# Altium PCB 滑板车模块 - 拼板.PcbDoc (part 6 of 8)
Units mm, origin at the board's own origin, x right, y up, seen from the top; angles counter-clockwise.
Board outline 16 x 13 mm, 2 copper layers (Top Layer, Bottom Layer); 420 components, 26 nets, 2088 pads, 620 vias.
Unrouted connection lines stored in the file: 114.
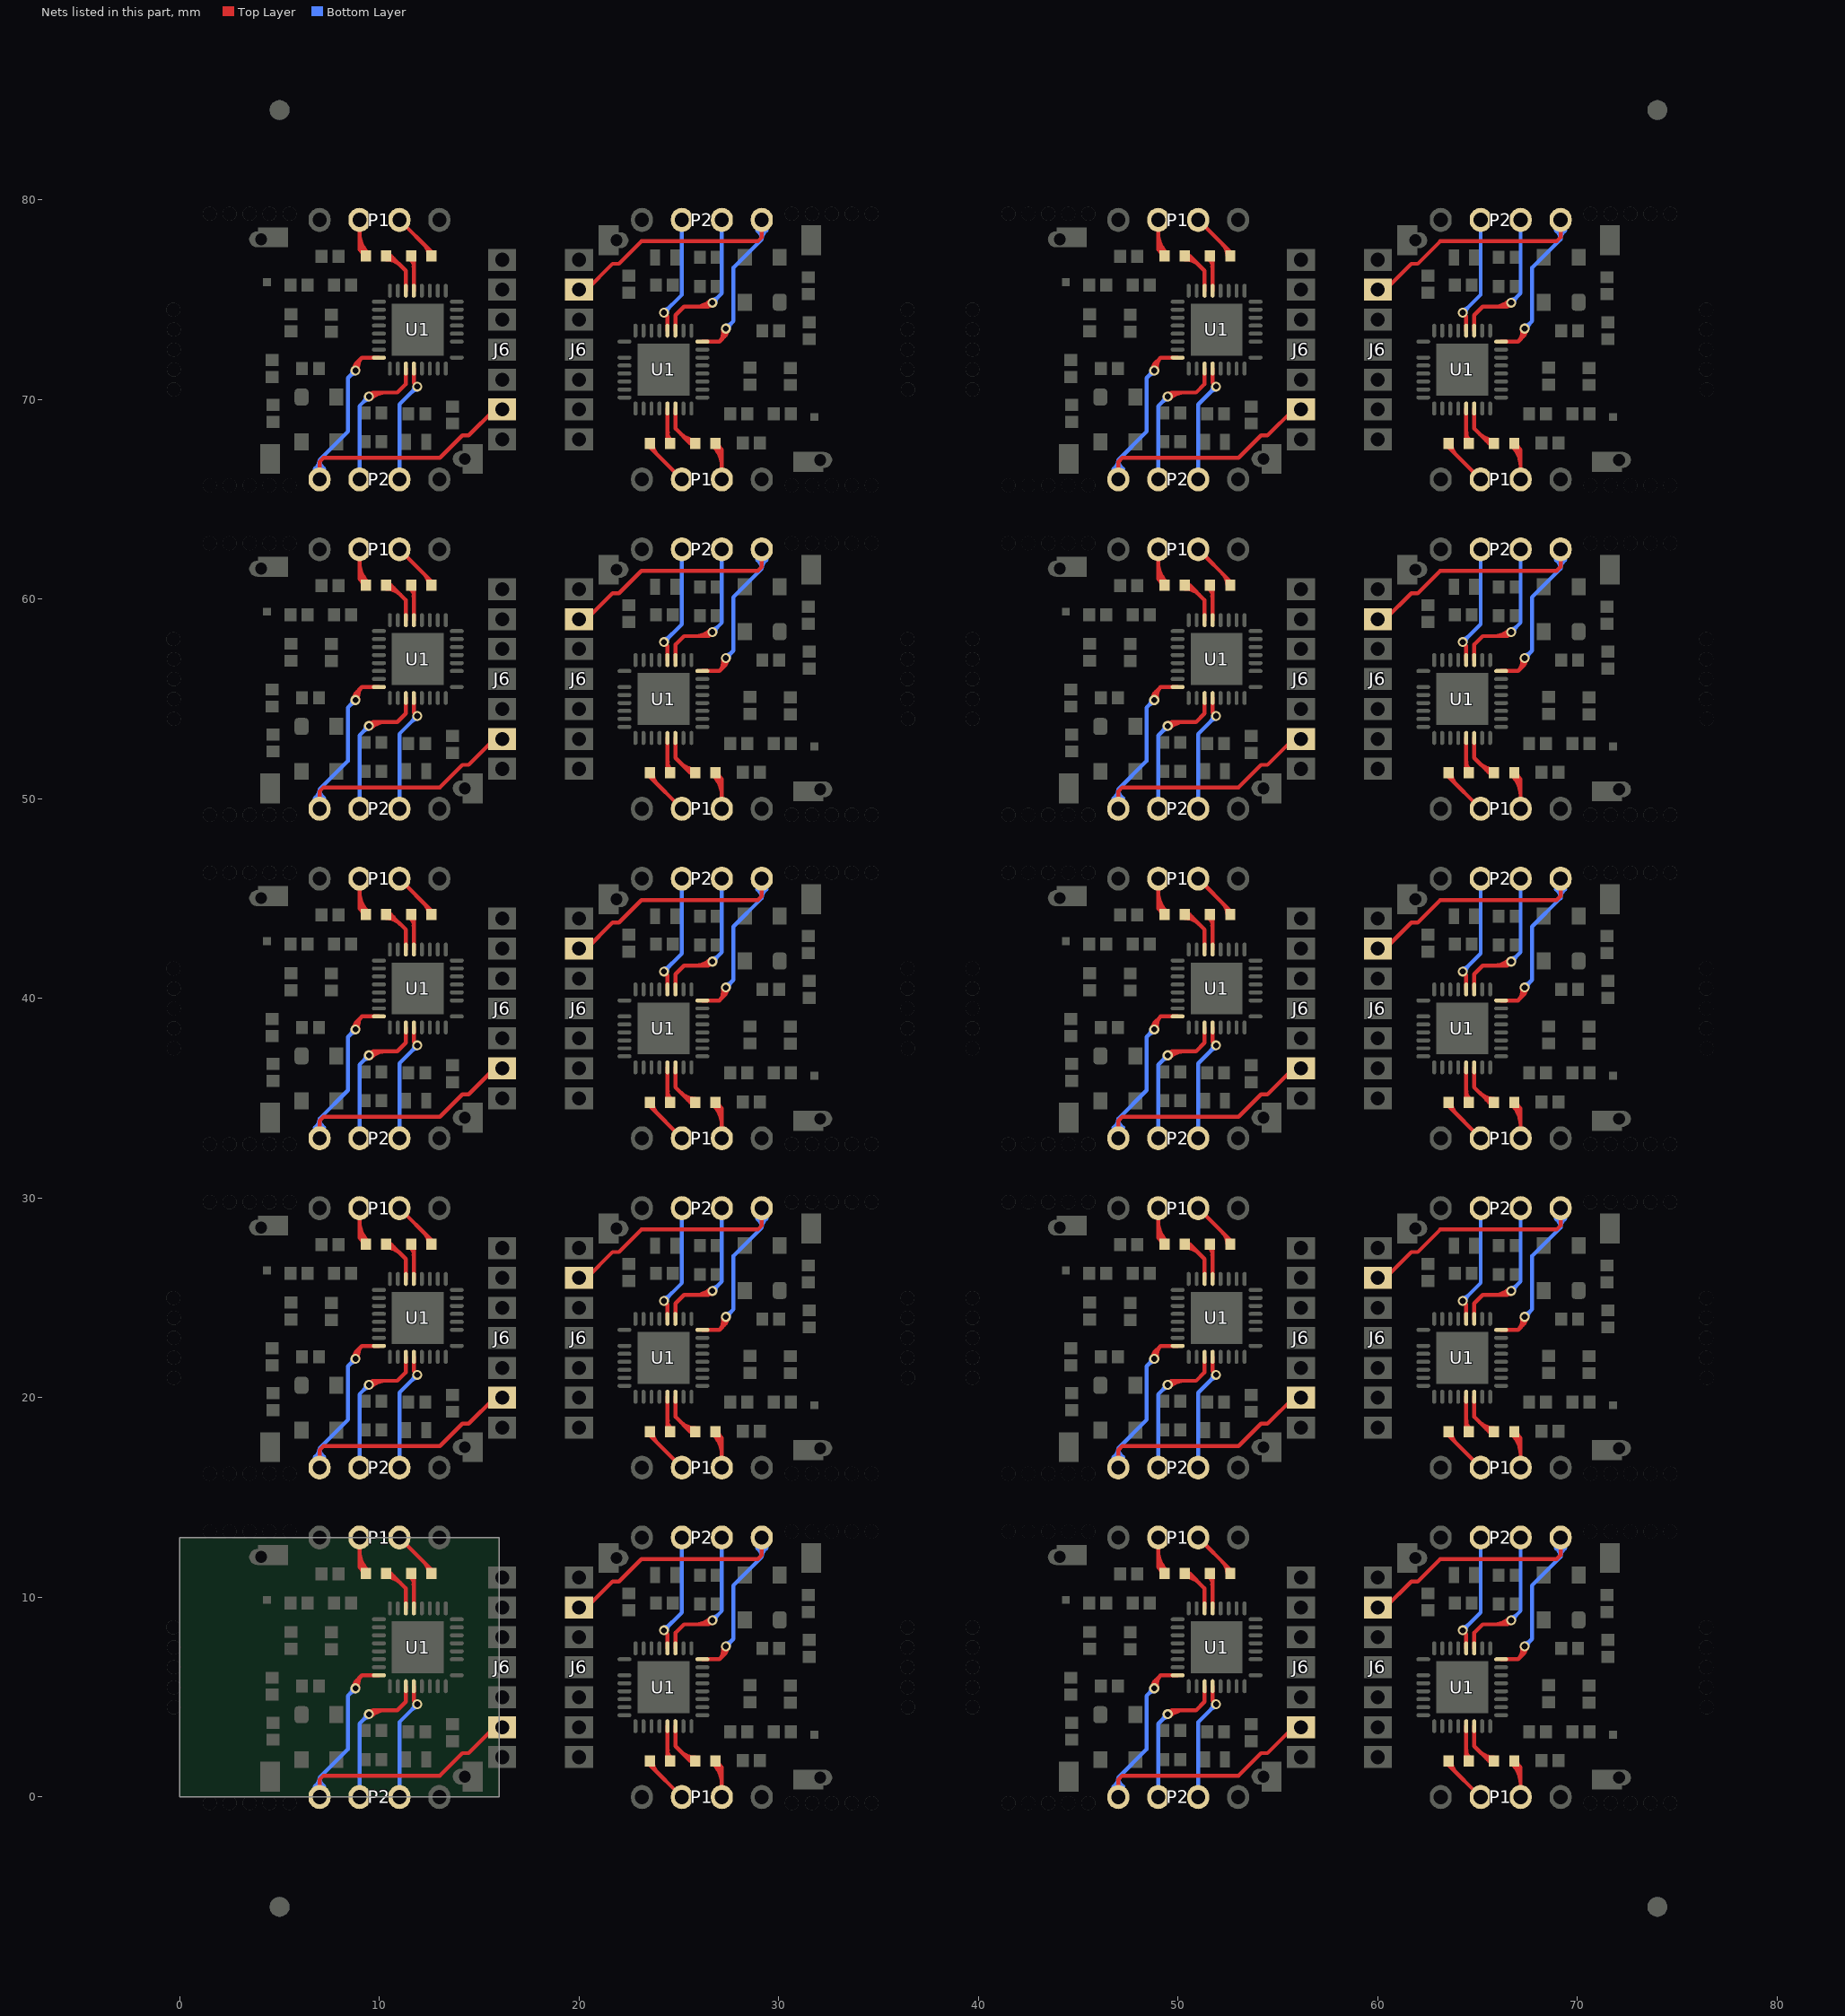
[diagram p6: the nets of this part, all layers, seen from the top]

## Via types
v1: diameter 0.5, hole 0.3, Top Layer to Bottom Layer, tented both sides, 620 vias

## Nets (pads, with @x,y where several pads share a name; then routed paths per layer and width w, separated by ;. In a path a pad name is that pad's centre, name@x,y a point inside that pad or via, vN(x,y) a via of type N, cw(c..) or ccw(c..) an arc to the next point about the centre after c; other vN are vias at no path point) (continued)
RSTN: J6.6 P2.4 U1.16 | length 443.2
  Top Layer w0.2: P2.4@7,0 7,0.875 7.2,1.075 13.025,1.075 14.15,2.2 14.475,2.2 15.775,3.5 J6.6@16.15,3.5 ; P2.4@7,16.5 7,17.375 7.2,17.575 13.025,17.575 14.15,18.7 14.475,18.7 15.775,20 J6.6@16.15,20 ; P2.4@7,33 7,33.875 7.2,34.075 13.025,34.075 14.15,35.2 14.475,35.2 15.775,36.5 J6.6@16.15,36.5 ; P2.4@7,49.5 7,50.375 7.2,50.575 13.025,50.575 14.15,51.7 14.475,51.7 15.775,53 J6.6@16.15,53 ; P2.4@7,66 7,66.875 7.2,67.075 13.025,67.075 14.15,68.2 14.475,68.2 15.775,69.5 J6.6@16.15,69.5 ; v1@8.703,5.564 ccw(c8.523,5.775) 8.8,5.775 ; v1@8.703,22.064 ccw(c8.523,22.275) 8.8,22.275 ; v1@8.703,38.564 ccw(c8.523,38.775) 8.8,38.775 ; v1@8.703,55.064 ccw(c8.523,55.275) 8.8,55.275 ; v1@8.703,71.564 ccw(c8.523,71.775) 8.8,71.775 ; v1@8.751,5.439 cw(c9.177,5.535) 8.868,5.843 ; v1@8.751,21.939 cw(c9.177,22.035) 8.868,22.343 ; v1@8.751,38.439 cw(c9.177,38.535) 8.868,38.843 ; v1@8.751,54.939 cw(c9.177,55.035) 8.868,55.343 ; v1@8.751,71.439 cw(c9.177,71.535) 8.868,71.843 ; v1(8.8,5.45) 8.8,5.775 ; v1(8.8,21.95) 8.8,22.275 ; v1(8.8,38.45) 8.8,38.775 ; v1(8.8,54.95) 8.8,55.275 ; v1(8.8,71.45) 8.8,71.775 ; v1@8.897,5.564 cw(c9.077,5.775) 8.8,5.775 ; v1@8.897,22.064 cw(c9.077,22.275) 8.8,22.275 ; v1@8.897,38.564 cw(c9.077,38.775) 8.8,38.775 ; v1@8.897,55.064 cw(c9.077,55.275) 8.8,55.275 ; v1@8.897,71.564 cw(c9.077,71.775) 8.8,71.775 ; v1@8.946,5.483 cw(c9.596,5.629) 9.125,6.1 ; v1@8.946,21.983 cw(c9.596,22.129) 9.125,22.6 ; v1@8.946,38.483 cw(c9.596,38.629) 9.125,39.1 ; v1@8.946,54.983 cw(c9.596,55.129) 9.125,55.6 ; v1@8.946,71.483 cw(c9.596,71.629) 9.125,72.1 ; U1.16@9.975,6.1 9.125,6.1 ; U1.16@9.975,22.6 9.125,22.6 ; U1.16@9.975,39.1 9.125,39.1 ; U1.16@9.975,55.6 9.125,55.6 ; U1.16@9.975,72.1 9.125,72.1 ; J6.6@20,9.5 20.375,9.5 21.675,10.8 22,10.8 23.125,11.925 28.95,11.925 29.15,12.125 P2.4@29.15,13 ; J6.6@20,26 20.375,26 21.675,27.3 22,27.3 23.125,28.425 28.95,28.425 29.15,28.625 P2.4@29.15,29.5 ; J6.6@20,42.5 20.375,42.5 21.675,43.8 22,43.8 23.125,44.925 28.95,44.925 29.15,45.125 P2.4@29.15,46 ; J6.6@20,59 20.375,59 21.675,60.3 22,60.3 23.125,61.425 28.95,61.425 29.15,61.625 P2.4@29.15,62.5 ; J6.6@20,75.5 20.375,75.5 21.675,76.8 22,76.8 23.125,77.925 28.95,77.925 29.15,78.125 P2.4@29.15,79 ; U1.16@26.175,6.9 27.025,6.9 ; U1.16@26.175,23.4 27.025,23.4 ; U1.16@26.175,39.9 27.025,39.9 ; U1.16@26.175,56.4 27.025,56.4 27.35,56.725 ; U1.16@26.175,72.9 27.025,72.9 ; 27.025,56.4 ccw(c26.554,56.871) v1@27.204,57.017 ; v1@27.204,7.517 cw(c26.554,7.371) 27.025,6.9 ; v1@27.204,24.017 cw(c26.554,23.871) 27.025,23.4 ; v1@27.204,40.517 cw(c26.554,40.371) 27.025,39.9 ; v1@27.204,73.517 cw(c26.554,73.371) 27.025,72.9 ; v1@27.253,7.436 cw(c27.073,7.225) 27.35,7.225 ; v1@27.253,23.936 cw(c27.073,23.725) 27.35,23.725 ; v1@27.253,40.436 cw(c27.073,40.225) 27.35,40.225 ; v1@27.253,56.936 cw(c27.073,56.725) 27.35,56.725 ; v1@27.253,73.436 cw(c27.073,73.225) 27.35,73.225 ; 27.282,7.157 ccw(c26.973,7.465) v1@27.399,7.561 ; 27.282,23.657 ccw(c26.973,23.965) v1@27.399,24.061 ; 27.282,40.157 ccw(c26.973,40.465) v1@27.399,40.561 ; 27.282,56.657 ccw(c26.973,56.965) v1@27.399,57.061 ; 27.282,73.157 ccw(c26.973,73.465) v1@27.399,73.561 ; v1(27.35,7.55) 27.35,7.225 ; v1(27.35,24.05) 27.35,23.725 ; v1(27.35,40.55) 27.35,40.225 ; v1(27.35,57.05) 27.35,56.725 ; v1(27.35,73.55) 27.35,73.225 ; v1@27.447,7.436 ccw(c27.627,7.225) 27.35,7.225 ; v1@27.447,23.936 ccw(c27.627,23.725) 27.35,23.725 ; v1@27.447,40.436 ccw(c27.627,40.225) 27.35,40.225 ; v1@27.447,56.936 ccw(c27.627,56.725) 27.35,56.725 ; v1@27.447,73.436 ccw(c27.627,73.225) 27.35,73.225 ; P2.4@47,0 47,0.875 47.2,1.075 53.025,1.075 54.15,2.2 54.475,2.2 55.775,3.5 J6.6@56.15,3.5 ; P2.4@47,16.5 47,17.375 47.2,17.575 53.025,17.575 54.15,18.7 54.475,18.7 55.775,20 J6.6@56.15,20 ; P2.4@47,33 47,33.875 47.2,34.075 53.025,34.075 54.15,35.2 54.475,35.2 55.775,36.5 J6.6@56.15,36.5 ; P2.4@47,49.5 47,50.375 47.2,50.575 53.025,50.575 54.15,51.7 54.475,51.7 55.775,53 J6.6@56.15,53 ; P2.4@47,66 47,66.875 47.2,67.075 53.025,67.075 54.15,68.2 54.475,68.2 55.775,69.5 J6.6@56.15,69.5 ; v1@48.703,5.564 ccw(c48.523,5.775) 48.8,5.775 ; v1@48.703,22.064 ccw(c48.523,22.275) 48.8,22.275 ; v1@48.703,38.564 ccw(c48.523,38.775) 48.8,38.775 ; v1@48.703,55.064 ccw(c48.523,55.275) 48.8,55.275 ; v1@48.703,71.564 ccw(c48.523,71.775) 48.8,71.775 ; v1@48.751,5.439 cw(c49.177,5.535) 48.868,5.843 ; v1@48.751,21.939 cw(c49.177,22.035) 48.868,22.343 ; v1@48.751,38.439 cw(c49.177,38.535) 48.868,38.843 ; v1@48.751,54.939 cw(c49.177,55.035) 48.868,55.343 ; v1@48.751,71.439 cw(c49.177,71.535) 48.868,71.843 ; v1(48.8,5.45) 48.8,5.775 ; v1(48.8,21.95) 48.8,22.275 ; v1(48.8,38.45) 48.8,38.775 ; v1(48.8,54.95) 48.8,55.275 ; v1(48.8,71.45) 48.8,71.775 ; v1@48.897,5.564 cw(c49.077,5.775) 48.8,5.775 ; v1@48.897,22.064 cw(c49.077,22.275) 48.8,22.275 ; v1@48.897,38.564 cw(c49.077,38.775) 48.8,38.775 ; v1@48.897,55.064 cw(c49.077,55.275) 48.8,55.275 ; v1@48.897,71.564 cw(c49.077,71.775) 48.8,71.775 ; v1@48.946,5.483 cw(c49.596,5.629) 49.125,6.1 ; v1@48.946,21.983 cw(c49.596,22.129) 49.125,22.6 ; v1@48.946,38.483 cw(c49.596,38.629) 49.125,39.1 ; v1@48.946,54.983 cw(c49.596,55.129) 49.125,55.6 ; v1@48.946,71.483 cw(c49.596,71.629) 49.125,72.1 ; U1.16@49.975,6.1 49.125,6.1 ; U1.16@49.975,22.6 49.125,22.6 ; U1.16@49.975,39.1 49.125,39.1 ; U1.16@49.975,55.6 49.125,55.6 ; U1.16@49.975,72.1 49.125,72.1 ; J6.6@60,9.5 60.375,9.5 61.675,10.8 62,10.8 63.125,11.925 68.95,11.925 69.15,12.125 P2.4@69.15,13 ; J6.6@60,26 60.375,26 61.675,27.3 62,27.3 63.125,28.425 68.95,28.425 69.15,28.625 P2.4@69.15,29.5 ; J6.6@60,42.5 60.375,42.5 61.675,43.8 62,43.8 63.125,44.925 68.95,44.925 69.15,45.125 P2.4@69.15,46 ; J6.6@60,59 60.375,59 61.675,60.3 62,60.3 63.125,61.425 68.95,61.425 69.15,61.625 P2.4@69.15,62.5 ; J6.6@60,75.5 60.375,75.5 61.675,76.8 62,76.8 63.125,77.925 68.95,77.925 69.15,78.125 P2.4@69.15,79 ; U1.16@66.175,6.9 67.025,6.9 ; U1.16@66.175,23.4 67.025,23.4 ; U1.16@66.175,39.9 67.025,39.9 ; U1.16@66.175,56.4 67.025,56.4 67.35,56.725 ; U1.16@66.175,72.9 67.025,72.9 ; 67.025,56.4 ccw(c66.554,56.871) v1@67.204,57.017 ; v1@67.204,7.517 cw(c66.554,7.371) 67.025,6.9 ; v1@67.204,24.017 cw(c66.554,23.871) 67.025,23.4 ; v1@67.204,40.517 cw(c66.554,40.371) 67.025,39.9 ; v1@67.204,73.517 cw(c66.554,73.371) 67.025,72.9 ; v1@67.253,7.436 cw(c67.073,7.225) 67.35,7.225 ; v1@67.253,23.936 cw(c67.073,23.725) 67.35,23.725 ; v1@67.253,40.436 cw(c67.073,40.225) 67.35,40.225 ; v1@67.253,56.936 cw(c67.073,56.725) 67.35,56.725 ; v1@67.253,73.436 cw(c67.073,73.225) 67.35,73.225 ; 67.282,7.157 ccw(c66.973,7.465) v1@67.399,7.561 ; 67.282,23.657 ccw(c66.973,23.965) v1@67.399,24.061 ; 67.282,40.157 ccw(c66.973,40.465) v1@67.399,40.561 ; 67.282,56.657 ccw(c66.973,56.965) v1@67.399,57.061 ; 67.282,73.157 ccw(c66.973,73.465) v1@67.399,73.561 ; v1(67.35,7.55) 67.35,7.225 ; v1(67.35,24.05) 67.35,23.725 ; v1(67.35,40.55) 67.35,40.225 ; v1(67.35,57.05) 67.35,56.725 ; v1(67.35,73.55) 67.35,73.225 ; v1@67.447,7.436 ccw(c67.627,7.225) 67.35,7.225 ; v1@67.447,23.936 ccw(c67.627,23.725) 67.35,23.725 ; v1@67.447,40.436 ccw(c67.627,40.225) 67.35,40.225 ; v1@67.447,56.936 ccw(c67.627,56.725) 67.35,56.725 ; v1@67.447,73.436 ccw(c67.627,73.225) 67.35,73.225 ; 8.8,5.775 9.125,6.1 ; 8.8,22.275 9.125,22.6 ; 8.8,38.775 9.125,39.1 ; 8.8,55.275 9.125,55.6 ; 8.8,71.775 9.125,72.1 ; 27.025,6.9 27.35,7.225 ; 27.025,23.4 27.35,23.725 ; 27.025,39.9 27.35,40.225 ; 27.025,72.9 27.35,73.225 ; 48.8,5.775 49.125,6.1 ; 48.8,22.275 49.125,22.6 ; 48.8,38.775 49.125,39.1 ; 48.8,55.275 49.125,55.6 ; 48.8,71.775 49.125,72.1 ; 67.025,6.9 67.35,7.225 ; 67.025,23.4 67.35,23.725 ; 67.025,39.9 67.35,40.225 ; 67.025,72.9 67.35,73.225
  Bottom Layer w0.2: P2.4@6.756,0.528 ccw(c6.469,0.975) 7,0.975 ; P2.4@6.756,17.028 ccw(c6.469,17.475) 7,17.475 ; P2.4@6.756,33.528 ccw(c6.469,33.975) 7,33.975 ; P2.4@6.756,50.028 ccw(c6.469,50.475) 7,50.475 ; P2.4@6.756,66.528 ccw(c6.469,66.975) 7,66.975 ; P2.4@7,0 7,0.975 ; P2.4@7,16.5 7,17.475 ; P2.4@7,33 7,33.975 ; P2.4@7,49.5 7,50.475 ; P2.4@7,66 7,66.975 ; P2.4@7.244,0.528 cw(c7.531,0.975) 7,0.975 ; P2.4@7.244,17.028 cw(c7.531,17.475) 7,17.475 ; P2.4@7.244,33.528 cw(c7.531,33.975) 7,33.975 ; P2.4@7.244,50.028 cw(c7.531,50.475) 7,50.475 ; P2.4@7.244,66.528 cw(c7.531,66.975) 7,66.975 ; v1@8.65,5.45 cw(c8.288,5.45) 8.544,5.194 cw(c8.8,4.938) v1@8.8,5.3 ; v1@8.65,21.95 cw(c8.288,21.95) 8.544,21.694 cw(c8.8,21.438) v1@8.8,21.8 ; v1@8.65,38.45 cw(c8.288,38.45) 8.544,38.194 cw(c8.8,37.938) v1@8.8,38.3 ; v1@8.65,54.95 cw(c8.288,54.95) 8.544,54.694 cw(c8.8,54.438) v1@8.8,54.8 ; v1@8.65,71.45 cw(c8.288,71.45) 8.544,71.194 cw(c8.8,70.938) v1@8.8,71.3 ; v1(8.8,5.45) 8.425,5.075 8.425,2.4 7,0.975 ; v1(8.8,21.95) 8.425,21.575 8.425,18.9 7,17.475 ; v1(8.8,38.45) 8.425,38.075 8.425,35.4 7,33.975 ; v1(8.8,54.95) 8.425,54.575 8.425,51.9 7,50.475 ; v1(8.8,71.45) 8.425,71.075 8.425,68.4 7,66.975 ; v1(27.35,7.55) 27.725,7.925 27.725,10.6 29.15,12.025 ; v1@27.35,7.7 ccw(c27.35,8.062) 27.606,7.806 ccw(c27.862,7.55) v1@27.5,7.55 ; v1(27.35,24.05) 27.725,24.425 27.725,27.1 29.15,28.525 ; v1@27.35,24.2 ccw(c27.35,24.562) 27.606,24.306 ccw(c27.862,24.05) v1@27.5,24.05 ; v1(27.35,40.55) 27.725,40.925 27.725,43.6 29.15,45.025 ; v1@27.35,40.7 ccw(c27.35,41.062) 27.606,40.806 ccw(c27.862,40.55) v1@27.5,40.55 ; v1(27.35,57.05) 27.725,57.425 27.725,60.1 29.15,61.525 ; v1@27.35,57.2 ccw(c27.35,57.562) 27.606,57.306 ccw(c27.862,57.05) v1@27.5,57.05 ; v1(27.35,73.55) 27.725,73.925 27.725,76.6 29.15,78.025 ; v1@27.35,73.7 ccw(c27.35,74.062) 27.606,73.806 ccw(c27.862,73.55) v1@27.5,73.55 ; P2.4@28.906,12.472 cw(c28.619,12.025) 29.15,12.025 ; P2.4@28.906,28.972 cw(c28.619,28.525) 29.15,28.525 ; P2.4@28.906,45.472 cw(c28.619,45.025) 29.15,45.025 ; P2.4@28.906,61.972 cw(c28.619,61.525) 29.15,61.525 ; P2.4@28.906,78.472 cw(c28.619,78.025) 29.15,78.025 ; P2.4@29.15,13 29.15,12.025 ; P2.4@29.15,29.5 29.15,28.525 ; P2.4@29.15,46 29.15,45.025 ; P2.4@29.15,62.5 29.15,61.525 ; P2.4@29.15,79 29.15,78.025 ; P2.4@29.394,12.472 ccw(c29.681,12.025) 29.15,12.025 ; P2.4@29.394,28.972 ccw(c29.681,28.525) 29.15,28.525 ; P2.4@29.394,45.472 ccw(c29.681,45.025) 29.15,45.025 ; P2.4@29.394,61.972 ccw(c29.681,61.525) 29.15,61.525 ; P2.4@29.394,78.472 ccw(c29.681,78.025) 29.15,78.025 ; P2.4@46.756,0.528 ccw(c46.469,0.975) 47,0.975 ; P2.4@46.756,17.028 ccw(c46.469,17.475) 47,17.475 ; P2.4@46.756,33.528 ccw(c46.469,33.975) 47,33.975 ; P2.4@46.756,50.028 ccw(c46.469,50.475) 47,50.475 ; P2.4@46.756,66.528 ccw(c46.469,66.975) 47,66.975 ; P2.4@47,0 47,0.975 ; P2.4@47,16.5 47,17.475 ; P2.4@47,33 47,33.975 ; P2.4@47,49.5 47,50.475 ; P2.4@47,66 47,66.975 ; P2.4@47.244,0.528 cw(c47.531,0.975) 47,0.975 ; P2.4@47.244,17.028 cw(c47.531,17.475) 47,17.475 ; P2.4@47.244,33.528 cw(c47.531,33.975) 47,33.975 ; P2.4@47.244,50.028 cw(c47.531,50.475) 47,50.475 ; P2.4@47.244,66.528 cw(c47.531,66.975) 47,66.975 ; v1@48.65,5.45 cw(c48.288,5.45) 48.544,5.194 cw(c48.8,4.938) v1@48.8,5.3 ; v1@48.65,21.95 cw(c48.288,21.95) 48.544,21.694 cw(c48.8,21.438) v1@48.8,21.8 ; v1@48.65,38.45 cw(c48.288,38.45) 48.544,38.194 cw(c48.8,37.938) v1@48.8,38.3 ; v1@48.65,54.95 cw(c48.288,54.95) 48.544,54.694 cw(c48.8,54.438) v1@48.8,54.8 ; v1@48.65,71.45 cw(c48.288,71.45) 48.544,71.194 cw(c48.8,70.938) v1@48.8,71.3 ; v1(48.8,5.45) 48.425,5.075 48.425,2.4 47,0.975 ; v1(48.8,21.95) 48.425,21.575 48.425,18.9 47,17.475 ; v1(48.8,38.45) 48.425,38.075 48.425,35.4 47,33.975 ; v1(48.8,54.95) 48.425,54.575 48.425,51.9 47,50.475 ; v1(48.8,71.45) 48.425,71.075 48.425,68.4 47,66.975 ; v1(67.35,7.55) 67.725,7.925 67.725,10.6 69.15,12.025 ; v1@67.35,7.7 ccw(c67.35,8.062) 67.606,7.806 ccw(c67.862,7.55) v1@67.5,7.55 ; v1(67.35,24.05) 67.725,24.425 67.725,27.1 69.15,28.525 ; v1@67.35,24.2 ccw(c67.35,24.562) 67.606,24.306 ccw(c67.862,24.05) v1@67.5,24.05 ; v1(67.35,40.55) 67.725,40.925 67.725,43.6 69.15,45.025 ; v1@67.35,40.7 ccw(c67.35,41.062) 67.606,40.806 ccw(c67.862,40.55) v1@67.5,40.55 ; v1(67.35,57.05) 67.725,57.425 67.725,60.1 69.15,61.525 ; v1@67.35,57.2 ccw(c67.35,57.562) 67.606,57.306 ccw(c67.862,57.05) v1@67.5,57.05 ; v1(67.35,73.55) 67.725,73.925 67.725,76.6 69.15,78.025 ; v1@67.35,73.7 ccw(c67.35,74.062) 67.606,73.806 ccw(c67.862,73.55) v1@67.5,73.55 ; P2.4@68.906,12.472 cw(c68.619,12.025) 69.15,12.025 ; P2.4@68.906,28.972 cw(c68.619,28.525) 69.15,28.525 ; P2.4@68.906,45.472 cw(c68.619,45.025) 69.15,45.025 ; P2.4@68.906,61.972 cw(c68.619,61.525) 69.15,61.525 ; P2.4@68.906,78.472 cw(c68.619,78.025) 69.15,78.025 ; P2.4@69.15,13 69.15,12.025 ; P2.4@69.15,29.5 69.15,28.525 ; P2.4@69.15,46 69.15,45.025 ; P2.4@69.15,62.5 69.15,61.525 ; P2.4@69.15,79 69.15,78.025 ; P2.4@69.394,12.472 ccw(c69.681,12.025) 69.15,12.025 ; P2.4@69.394,28.972 ccw(c69.681,28.525) 69.15,28.525 ; P2.4@69.394,45.472 ccw(c69.681,45.025) 69.15,45.025 ; P2.4@69.394,61.972 ccw(c69.681,61.525) 69.15,61.525 ; P2.4@69.394,78.472 ccw(c69.681,78.025) 69.15,78.025
RXD: R6.1 U1.5 | length 46
  Top Layer w0.2: R6.1@11.511,11.044 cw(c11.27,10.658) 11.725,10.658 ; R6.1@11.511,27.544 cw(c11.27,27.158) 11.725,27.158 ; R6.1@11.511,44.044 cw(c11.27,43.658) 11.725,43.658 ; R6.1@11.511,60.544 cw(c11.27,60.158) 11.725,60.158 ; R6.1@11.511,77.044 cw(c11.27,76.658) 11.725,76.658 ; R6.1@11.592,11.2 11.725,11.067 11.725,10.675 ; R6.1@11.592,27.7 11.725,27.567 11.725,27.175 ; R6.1@11.592,44.2 11.725,44.067 11.725,43.675 ; R6.1@11.592,60.7 11.725,60.567 11.725,60.175 ; R6.1@11.592,77.2 11.725,77.067 11.725,76.675 ; 11.7,10.65 11.725,10.675 ; 11.7,27.15 11.725,27.175 ; 11.7,43.65 11.725,43.675 ; 11.7,60.15 11.725,60.175 ; 11.7,76.65 11.725,76.675 ; U1.5@11.725,9.45 11.725,10.675 ; U1.5@11.725,25.95 11.725,27.175 ; U1.5@11.725,42.45 11.725,43.675 ; U1.5@11.725,58.95 11.725,60.175 ; U1.5@11.725,75.45 11.725,76.675 ; 24.425,2.342 ccw(c24.88,2.342) R6.1@24.639,1.956 ; U1.5@24.425,3.55 24.425,2.325 ; 24.425,18.842 ccw(c24.88,18.842) R6.1@24.639,18.456 ; U1.5@24.425,20.05 24.425,18.825 ; 24.425,35.342 ccw(c24.88,35.342) R6.1@24.639,34.956 ; U1.5@24.425,36.55 24.425,35.325 ; 24.425,51.842 ccw(c24.88,51.842) R6.1@24.639,51.456 ; U1.5@24.425,53.05 24.425,51.825 ; 24.425,68.342 ccw(c24.88,68.342) R6.1@24.639,67.956 ; U1.5@24.425,69.55 24.425,68.325 ; 24.45,2.35 24.425,2.325 ; 24.45,18.85 24.425,18.825 ; 24.45,35.35 24.425,35.325 ; 24.45,51.85 24.425,51.825 ; 24.45,68.35 24.425,68.325 ; R6.1@24.558,1.8 24.425,1.933 24.425,2.325 ; R6.1@24.558,18.3 24.425,18.433 24.425,18.825 ; R6.1@24.558,34.8 24.425,34.933 24.425,35.325 ; R6.1@24.558,51.3 24.425,51.433 24.425,51.825 ; R6.1@24.558,67.8 24.425,67.933 24.425,68.325 ; R6.1@51.511,11.044 cw(c51.27,10.658) 51.725,10.658 ; R6.1@51.511,27.544 cw(c51.27,27.158) 51.725,27.158 ; R6.1@51.511,44.044 cw(c51.27,43.658) 51.725,43.658 ; R6.1@51.511,60.544 cw(c51.27,60.158) 51.725,60.158 ; R6.1@51.511,77.044 cw(c51.27,76.658) 51.725,76.658 ; R6.1@51.592,11.2 51.725,11.067 51.725,10.675 ; R6.1@51.592,27.7 51.725,27.567 51.725,27.175 ; R6.1@51.592,44.2 51.725,44.067 51.725,43.675 ; R6.1@51.592,60.7 51.725,60.567 51.725,60.175 ; R6.1@51.592,77.2 51.725,77.067 51.725,76.675 ; 51.7,10.65 51.725,10.675 ; 51.7,27.15 51.725,27.175 ; 51.7,43.65 51.725,43.675 ; 51.7,60.15 51.725,60.175 ; 51.7,76.65 51.725,76.675 ; U1.5@51.725,9.45 51.725,10.675 ; U1.5@51.725,25.95 51.725,27.175 ; U1.5@51.725,42.45 51.725,43.675 ; U1.5@51.725,58.95 51.725,60.175 ; U1.5@51.725,75.45 51.725,76.675 ; 64.425,2.342 ccw(c64.88,2.342) R6.1@64.639,1.956 ; U1.5@64.425,3.55 64.425,2.325 ; 64.425,18.842 ccw(c64.88,18.842) R6.1@64.639,18.456 ; U1.5@64.425,20.05 64.425,18.825 ; 64.425,35.342 ccw(c64.88,35.342) R6.1@64.639,34.956 ; U1.5@64.425,36.55 64.425,35.325 ; 64.425,51.842 ccw(c64.88,51.842) R6.1@64.639,51.456 ; U1.5@64.425,53.05 64.425,51.825 ; 64.425,68.342 ccw(c64.88,68.342) R6.1@64.639,67.956 ; U1.5@64.425,69.55 64.425,68.325 ; 64.45,2.35 64.425,2.325 ; 64.45,18.85 64.425,18.825 ; 64.45,35.35 64.425,35.325 ; 64.45,51.85 64.425,51.825 ; 64.45,68.35 64.425,68.325 ; R6.1@64.558,1.8 64.425,1.933 64.425,2.325 ; R6.1@64.558,18.3 64.425,18.433 64.425,18.825 ; R6.1@64.558,34.8 64.425,34.933 64.425,35.325 ; R6.1@64.558,51.3 64.425,51.433 64.425,51.825 ; R6.1@64.558,67.8 64.425,67.933 64.425,68.325